# KiCad board OpenPLC_Hardware.kicad_pcb (continued)
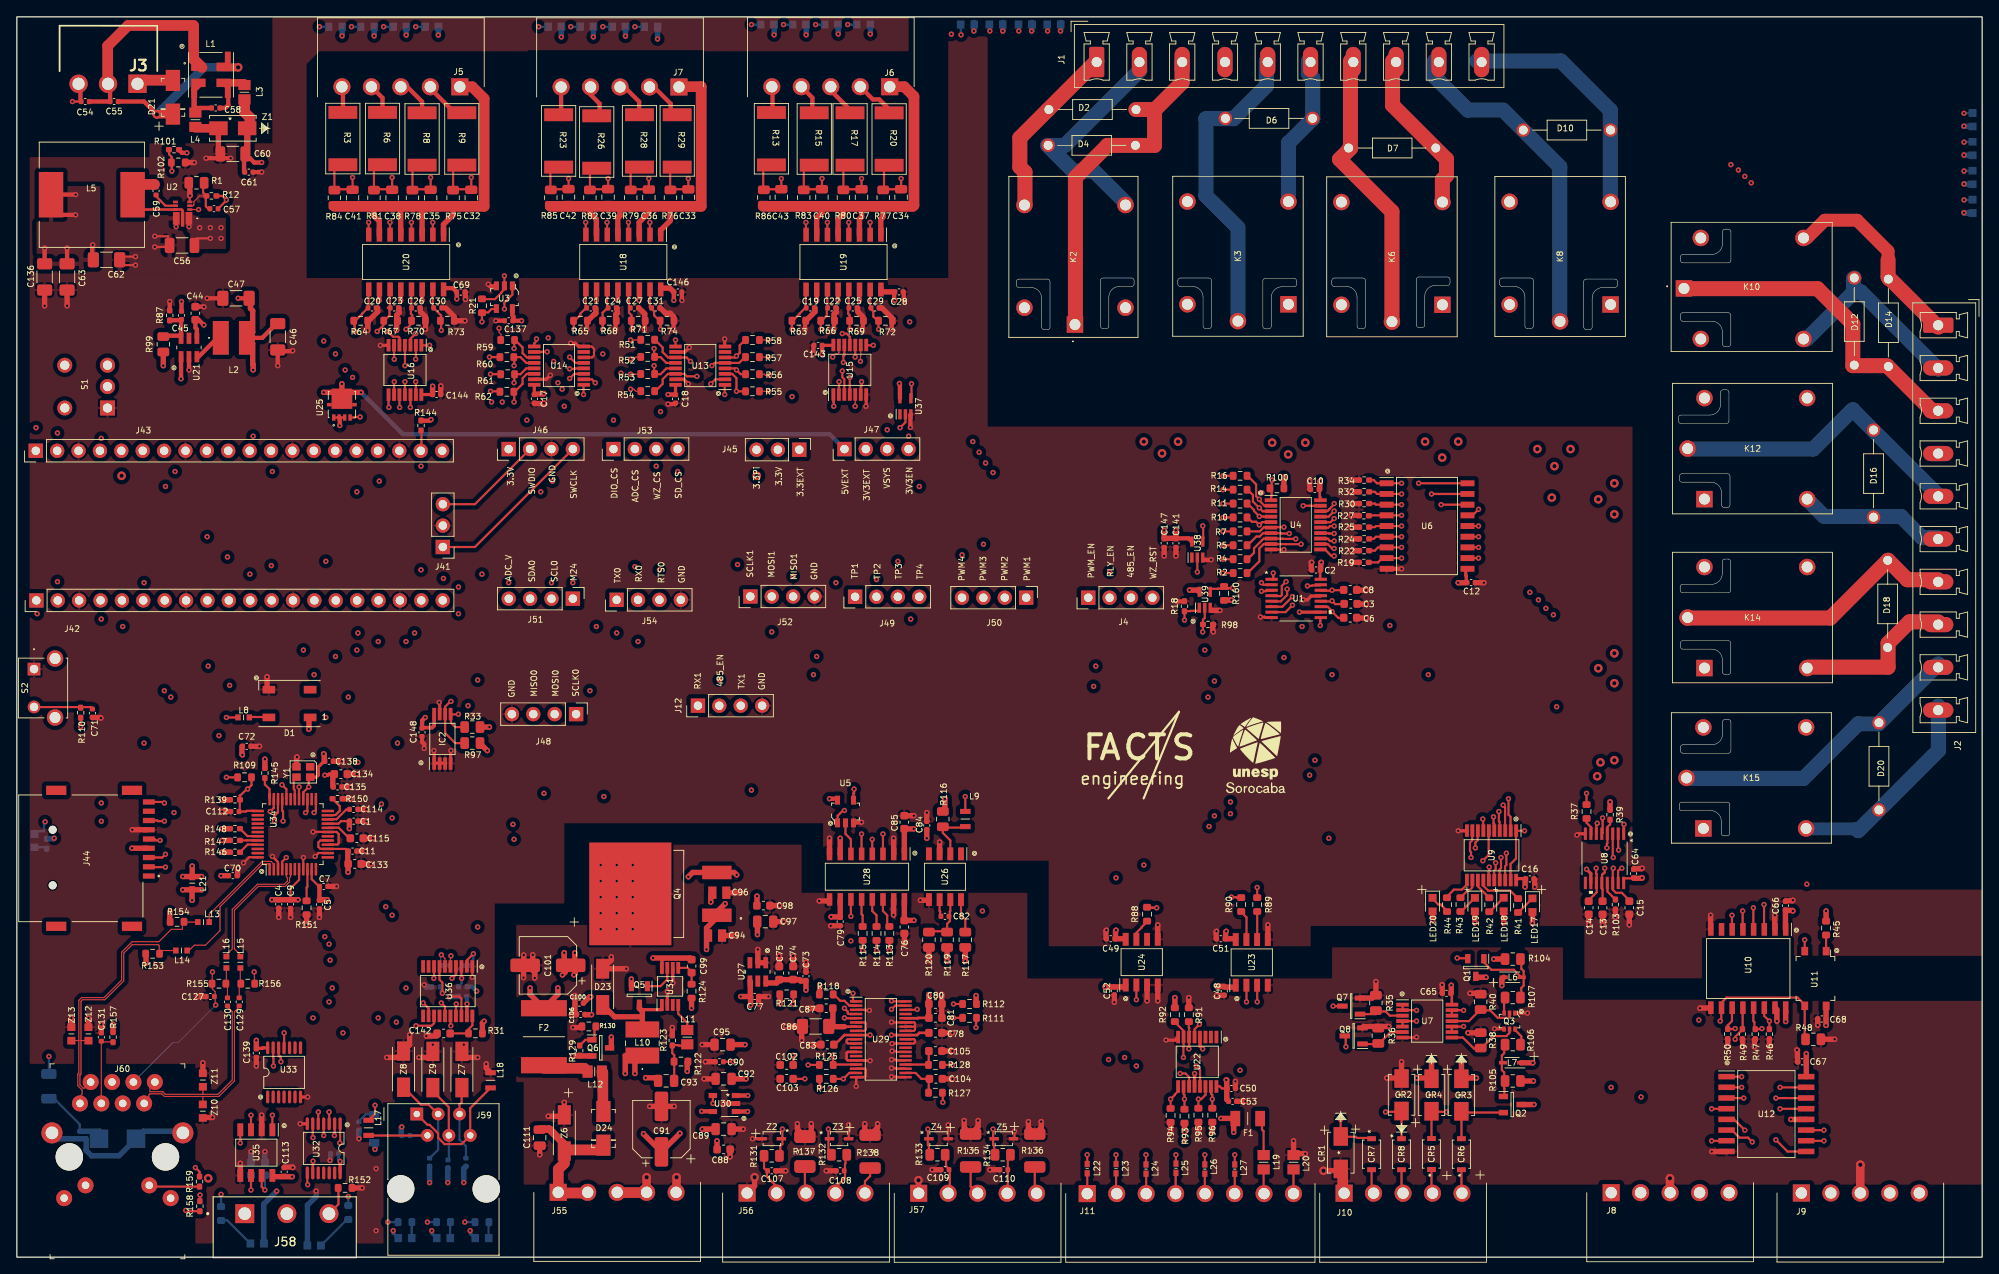
[diagram p0: board, top side]
## Library data of the parts (continued)
R51-R62 = -: Description: Precision Thick Film Chip Resistor, 0603, 0.1W; Arrow Price/Stock: https://www.arrow.com/en/products/erj-3ekf4750v/panasonic; Height: 0.55; Manufacturer_Name: Panasonic; Mouser Part Number: 667-ERJ-3EKF4750V; Mouser Price/Stock: https://www.mouser.co.uk/ProductDetail/Panasonic/ERJ-3EKF4750V?qs=MVjVSMjNRMrErrb2HSOJmg%3D%3D
R63-R74 R91-R96 R102 R125-R128 = -: Description: Thick Film 0603 resistor 1K00 100mW 1% Panasonic ERJ3EK Series Precision Thick Film Surface Mount Resistor 0603 Case 1kOhm  /-1% 0.1W  /-100ppm/degC; Arrow Price/Stock: https://www.arrow.com/en/products/erj-3ekf1001v/panasonic?region=nac; Height: 0.55; Manufacturer_Name: Panasonic; Mouser Part Number: 667-ERJ-3EKF1001V; Mouser Price/Stock: https://www.mouser.co.uk/ProductDetail/Panasonic/ERJ-3EKF1001V?qs=H7k1u0Mp9JTM8yQxOuvoDg%3D%3D
R75-R86 R106 R107 = -: Description: YAGEO - RC0805JR-071K2L - RES, THICK FILM, 1K2, 5%, 0.125W, 0805; Arrow Price/Stock: https://www.arrow.com/en/products/rc0805jr-071k2l/yageo?region=nac; Height: 0.6; Manufacturer_Name: KEMET; Mouser Part Number: 603-RC0805JR-071K2L; Mouser Price/Stock: https://www.mouser.co.uk/ProductDetail/YAGEO/RC0805JR-071K2L?qs=m6lXFsvg5e37BgTmCR2WJg%3D%3D
R108 = -: Description: YAGEO (PHYCOMP) - RC0402FR-07150RL - RES, THICK FILM, 150R, 1%, 0.063W, 0402; Height: 0.4; Manufacturer_Name: KEMET; Mouser Part Number: 603-RC0402FR-07150RL; Mouser Price/Stock: https://www.mouser.co.uk/ProductDetail/Yageo/RC0402FR-07150RL?qs=xND3kAPMIz%252Bsm0qc0jHyQQ%3D%3D
R110 R158 R159 = -: Description: Metal Thin Film Chip Resistor, 0402, 0.063W; Height: 0.4; Manufacturer_Name: Panasonic
R111 R113-R115 = -: Description: 0603 Thick Film Resistor 0.1W, 33R ROHM MCR Series Thick Film Surface Mount Resistor 0603 Case 33 +/-1% 0.1W +/-100ppm/C; Arrow Part Number: MCR03EZPFX33R0; Arrow Price/Stock: https://www.arrow.com/en/products/mcr03ezpfx33r0/rohm-semiconductor; Height: 0.55; Manufacturer_Name: ROHM Semiconductor
R112 R118 R121 R130 = -: Description: Thick Film Resistors - SMD 0603 49.9Kohms 1% AEC-Q200; Arrow Price/Stock: https://www.arrow.com/en/products/erj-3ekf4992v/panasonic?region=europe; Height: 0.55; Manufacturer_Name: Panasonic; Mouser Part Number: 667-ERJ-3EKF4992V; Mouser Price/Stock: https://www.mouser.co.uk/ProductDetail/Panasonic/ERJ-3EKF4992V?qs=66DK8nO8gJDYHn0m%2Fug%252Bvw%3D%3D
R117 R119 = -: Description: RESISTOR, 0805 6.8 KOhm +/- 0.5% 0.1 W; Manufacturer_Name: Susumu
R131-R134 = -: Description: Precision Thick Film Chip Resistor, 0805, 0.125W; Arrow Price/Stock: https://www.arrow.com/en/products/erj-6enf1000v/panasonic; Height: 0.55; Manufacturer_Name: Panasonic; Mouser Part Number: 667-ERJ-6ENF1000V; Mouser Price/Stock: https://www.mouser.co.uk/ProductDetail/Panasonic/ERJ-6ENF1000V?qs=4WZYzuGhm5opkpyunBjW%2FA%3D%3D
R140-R143 R149 = -: Description: YAGEO - RC0603JR-07100RL - RES, 100R, 5%, 0.1W, 0603, THICK FILM; Arrow Price/Stock: https://www.arrow.com/en/products/rc0603jr-07100rl/yageo?region=europe; Height: 0.55; Manufacturer_Name: KEMET; Mouser Part Number: 603-RC0603JR-07100RL; Mouser Price/Stock: https://www.mouser.co.uk/ProductDetail/YAGEO/RC0603JR-07100RL?qs=2cAdsCoAWRFalYQxwnszBA%3D%3D
R151 = -: Description: Thick Film Resistors - SMD 12.4K OHM 1%; Arrow Price/Stock: https://www.arrow.com/en/products/rc0603fr-0712k4l/yageo?region=europe; Height: 0.55; Manufacturer_Name: KEMET; Mouser Part Number: 603-RC0603FR-0712K4L; Mouser Price/Stock: https://www.mouser.co.uk/ProductDetail/YAGEO/RC0603FR-0712K4L?qs=uM1JSSdPjOA%252BD4zMAEkvjw%3D%3D
R153-R156 = -: Description: Thick Film Resistors - SMD 0603 49.9ohms 1% Tol; Arrow Price/Stock: https://www.arrow.com/en/products/erj-3ekf49r9v/panasonic?region=nac; Height: 0.55; Manufacturer_Name: Panasonic; Mouser Part Number: 667-ERJ-3EKF49R9V; Mouser Price/Stock: https://www.mouser.co.uk/ProductDetail/Panasonic/ERJ-3EKF49R9V?qs=66DK8nO8gJAfrBB1c2WenA%3D%3D
R157 = -: Description: Thick Film Resistors - SMD 1/16watts 10ohms 1%; Arrow Price/Stock: https://www.arrow.com/en/products/rk73h1ettp10r0f/koa-speer-electronics; Height: 0.4; Manufacturer_Name: KOA Speer; Mouser Part Number: 660-RK73H1ETTP10R0F; Mouser Price/Stock: https://www.mouser.co.uk/ProductDetail/KOA-Speer/RK73H1ETTP10R0F/?qs=b1MjUb3%252BcaWwtWTJWJOcxQ%3D%3D
S1 = -: Description: SWITCH TOGGLE SPDT 5A 120V; Category: Switches; DK_Datasheet_Link: http://spec_sheets.e-switch.com/specs/T111069.pdf; DK_Detail_Page: /product-detail/en/e-switch/100SP1T2B4M6QE/EG2362-ND/378831; Digi-Key_PN: EG2362-ND; Family: Toggle Switches; MPN: 100SP1T2B4M6QE; Manufacturer: E-Switch; Status: Active
U2 = -: Arrow Price/Stock: https://www.arrow.com/en/products/ap63356dv-7/diodes-incorporated?region=nac; Datasheet_1: https://www.diodes.com/assets/Datasheets/AP63356-AP63357.pdf; Footprint_1: AP63356DV7; Height: 0.85; Manufacturer_Name: Diodes Inc.; Mouser Part Number: 621-AP63356DV-7; Mouser Price/Stock: https://www.mouser.co.uk/ProductDetail/Diodes-Incorporated/AP63356DV-7?qs=bZr6mbWTK5k9UirUfdvjSw%3D%3D; Reference_1: U
U3 U5 = -: Description: IC BUF NON-INVERT 5.5V SOT23-5; Category: Integrated Circuits (ICs); DK_Datasheet_Link: http://www.ti.com/general/docs/suppproductinfo.tsp?distId=10&gotoUrl=http%3A%2F%2Fwww.ti.com%2Flit%2Fgpn%2Fsn74lvc1g125; DK_Detail_Page: /product-detail/en/texas-instruments/SN74LVC1G125DBVR/296-11603-1-ND/385742; Digi-Key_PN: 296-11603-1-ND; Family: Logic - Buffers, Drivers, Receivers, Transceivers; Manufacturer: Texas Instruments; Status: Active
U6 = -: Description: 8 Channel High Current Driver SOL18P-300 T+R Lead; Arrow Part Number: ULN2803AFWG(C,ELHA; Arrow Price/Stock: https://www.arrow.com/en/products/uln2803afwg-celha/toshiba; Height: 2.65; Manufacturer_Name: Toshiba; Manufacturer_Part_Number: ULN2803AFWG(C,ELHA; Mouser Part Number: 757-ULN2803AFWGCELHA; Mouser Price/Stock: https://www.mouser.co.uk/ProductDetail/Toshiba/ULN2803AFWGCELHA?qs=QhGSDAOLffLyZyOzY3%2FYww%3D%3D
U7 = -: Description: Quadruple 2-Input Positive-AND Gates; Arrow Price/Stock: https://www.arrow.com/en/products/sn74ahc08pw/texas-instruments; Height: 1.2; Manufacturer_Name: Texas Instruments; Mouser Part Number: 595-SN74AHC08PW; Mouser Price/Stock: https://www.mouser.co.uk/ProductDetail/Texas-Instruments/SN74AHC08PW?qs=3pnr37ZAbK%252BIPRPPiAPWMg%3D%3D
U9 = -: Description: SN74LVC541APWR, 8-Bit Buffer, Line Driver, LVC, 3-State Non-Inverting 1.65  3.6 V 20-Pin TSSOP; Arrow Price/Stock: https://www.arrow.com/en/products/sn74lvc541apwr/texas-instruments?region=nac; Height: 1.2; Manufacturer_Name: Texas Instruments; Mouser Part Number: 595-SN74LVC541APWR; Mouser Price/Stock: https://www.mouser.co.uk/ProductDetail/Texas-Instruments/SN74LVC541APWR?qs=DcvZ7Fltd5yUfWNWQTtNtQ%3D%3D
U10 = -: Description: DGTL ISO 2500VRMS 4CH GP 16SOIC; Height: 1.75; Manufacturer_Name: Skyworks; Mouser Part Number: 634-SI8640AB-B-IS; Mouser Price/Stock: https://www.mouser.co.uk/ProductDetail/Skyworks-Solutions-Inc/SI8640AB-B-IS?qs=j6MGy4L9yX0GpgQO5d7agw%3D%3D
U11 = -: Description: OPTOISOLATOR 3.75KV TRANS 4-SOP; Category: Isolators; DK_Datasheet_Link: http://optoelectronics.liteon.com/upload/download/DS70-2001-010/LTV-356T%20series%20201610.pdf; DK_Detail_Page: /product-detail/en/lite-on-inc/LTV-356T/160-1337-1-ND/385805; Digi-Key_PN: 160-1337-1-ND; Family: Optoisolators - Transistor, Photovoltaic Output; Manufacturer: Lite-On Inc.; Status: Active
U12 = -: Description: RS-485 Interface IC Quad RS-485 Diff Line Driver; Arrow Part Number: SN75LBC172A16DWR; Arrow Price/Stock: https://www.arrow.com/en/products/sn75lbc172a16dwr/texas-instruments; Height: 2.65; Manufacturer_Name: Texas Instruments; Manufacturer_Part_Number: SN75LBC172A16DWR; Mouser Part Number: 595-SN75LBC172A16DWR; Mouser Price/Stock: https://www.mouser.com/Search/Refine.aspx?Keyword=595-SN75LBC172A16DWR
U13 U14 = -: Description: Texas Instruments SN74HC165PW, 8-stage, Shift Register, Parallel to Serial, 2  6 V, 16-Pin TSSOP; Arrow Part Number: SN74HC165PW; Arrow Price/Stock: https://www.arrow.com/en/products/sn74hc165pw/texas-instruments?region=nac; Height: 1.2; Manufacturer_Name: Texas Instruments; Manufacturer_Part_Number: SN74HC165PW; Mouser Part Number: 595-SN74HC165PW; Mouser Price/Stock: https://www.mouser.co.uk/ProductDetail/Texas-Instruments/SN74HC165PW?qs=vxEfx8VrU7DtrDptXCdEpg%3D%3D
U15 U16 = -: Description: 74LCX14MTC, CMOS Hex Schmitt Trigger Inverter, LCX, 24mA 2  3.6 V 14-Pin TSSOP; Arrow Part Number: 74LCX14MTC; Arrow Price/Stock: https://www.arrow.com/en/products/74lcx14mtc/on-semiconductor?region=europe; Height: 1.2; Manufacturer_Name: onsemi; Manufacturer_Part_Number: 74LCX14MTC; Mouser Part Number: 512-74LCX14MTC; Mouser Price/Stock: https://www.mouser.co.uk/ProductDetail/ON-Semiconductor-Fairchild/74LCX14MTC?qs=vLO1xFsx9TE9lLDimIjc9w%3D%3D
U18-U20 = -: Description: Transistor Output Optocouplers 4ch Transistor opto coupler; Arrow Part Number: TLP292-4(LGBTP,E; Arrow Price/Stock: https://www.arrow.com/en/products/tlp292-4-lgbtpe/toshiba?region=nac; Height: 2.3; Manufacturer_Name: Toshiba; Manufacturer_Part_Number: TLP292-4(LGBTP,E; Mouser Part Number: 757-TLP292-4LGBTPE; Mouser Price/Stock: https://www.mouser.co.uk/ProductDetail/Toshiba/TLP292-4LGBTPE?qs=U6BGiFaJGDuglZcF0rtOlQ%3D%3D
U22 = -: Description: ST26C32ABTR, Quad Line Receiver, EIA-423, EIA-422, RS-423, RS-422, 20Mbit/s Differential 5 V 16-Pin TSSOP; Arrow Price/Stock: https://www.arrow.com/en/products/st26c32abtr/stmicroelectronics; Height: 1.2; Manufacturer_Name: STMicroelectronics; Mouser Part Number: 511-ST26C32AB; Mouser Price/Stock: https://www.mouser.co.uk/ProductDetail/STMicroelectronics/ST26C32ABTR?qs=4MjE2YE1uWo9cNvuXIid3g%3D%3D
U23 U24 = -: Description: SILICON LABS - SI8620BB-B-ISR - Digital Isolator, 2 Channel, 8 ns, 2.5 V, 5.5 V, SOIC, 8 Pins; Arrow Price/Stock: https://www.arrow.com/en/products/si8620bb-b-isr/silicon-labs; Height: 1.75; Manufacturer_Name: Silicon Labs; Mouser Part Number: 634-SI8620BB-B-ISR; Mouser Price/Stock: https://www.mouser.co.uk/ProductDetail/Silicon-Labs/SI8620BB-B-ISR?qs=j6MGy4L9yX3UqdNjYI%2FCRQ%3D%3D
U25 = -: MANUFACTURER: ST Microelectronics; MAXIMUM_PACKAGE_HEIGHT: 0.9mm; PARTREV: 3; STANDARD: Manufacturer recommendations
U26 = -: Description: Optocoupl DC-IN 1-CH Trans DC-OUT 8-SOIC; Arrow Price/Stock: https://www.arrow.com/en/products/fod2742b/on-semiconductor; Height: 3.63; Manufacturer_Name: onsemi; Mouser Part Number: 512-FOD2742B; Mouser Price/Stock: https://www.mouser.co.uk/ProductDetail/onsemi-Fairchild/FOD2742B?qs=zGXwibyAaHYI42ZmCVQd1A%3D%3D
U27 = -: Description: Precision Wide Supply High Output Drive Low Noise Reference; Manufacturer_Name: Analog Devices
U28 = -: Description: Silicon Labs Si8641AB-B-IS1 PCB SMT 4-channel Digital Isolator, 2500 Vrms, 16-Pin SOIC; Arrow Part Number: SI8641AB-B-IS1; Arrow Price/Stock: https://www.arrow.com/en/products/si8641ab-b-is1/silicon-labs; Height: 1.75; Manufacturer_Name: Silicon Labs; Mouser Part Number: 634-SI8641AB-B-IS1; Mouser Price/Stock: https://www.mouser.co.uk/ProductDetail/Silicon-Labs/SI8641AB-B-IS1?qs=j6MGy4L9yX1apgACYNMPpw%3D%3D
U29 = -: Description: Octal Channel Single ADC SAR 500ksps 16-bit Serial 38-Pin TSSOP T/R; Arrow Price/Stock: https://www.arrow.com/en/products/ads8688idbtr/texas-instruments?region=nac; Height: 1.2; Manufacturer_Name: Texas Instruments; Mouser Part Number: 595-ADS8688IDBTR; Mouser Price/Stock: https://www.mouser.co.uk/ProductDetail/Texas-Instruments/ADS8688IDBTR?qs=bZA2O%252B%252B1GJuPFEagMJIgMw%3D%3D
U30 = -: Field4: Designator9
U31 = -: Description: 4.5-35V, Hysteretic Non-Synchronous PFET Buck Controller; Arrow Part Number: LM3485MMX/NOPB; Arrow Price/Stock: https://www.arrow.com/en/products/lm3485mmxnopb/texas-instruments?region=nac; Height: 1.1; Manufacturer_Name: Texas Instruments; Manufacturer_Part_Number: LM3485MMX/NOPB; Mouser Part Number: 926-LM3485MMX/NOPB; Mouser Price/Stock: https://www.mouser.co.uk/ProductDetail/Texas-Instruments/LM3485MMX-NOPB?qs=X1J7HmVL2ZGdhzJdAW27lw%3D%3D
U32 = -: Description: Fairchild Semiconductor 74LVX04M, Hex Inverter, Single Ended, 2  3.6 V, 14-Pin SOIC; Manufacturer_Name: onsemi
U33 = -: Description: Low Voltage Quad 2-Input OR Gate; Manufacturer_Name: onsemi; Mouser Part Number: 512-74LVX32M; Mouser Price/Stock: https://www.mouser.co.uk/ProductDetail/ON-Semiconductor-Fairchild/74LVX32M/?qs=9QHlZzIagUaT%2FN4IZX0jJA%3D%3D
U35 = -: Description: +/-15 kV ESD-Protected, 3.3 V,12 Mbps,EIA RS-485/RS-422 Transceiver; Arrow Price/Stock: https://www.arrow.com/en/products/adm3485earz/analog-devices?region=nac; Height: 1.75; Manufacturer_Name: Analog Devices; Mouser Part Number: 584-ADM3485EARZ; Mouser Price/Stock: https://www.mouser.co.uk/ProductDetail/Analog-Devices/ADM3485EARZ?qs=BpaRKvA4VqHkSzuHRWJo4g%3D%3D
U36 = -: Description: Analog Devices ADM3222ARUZ, Line Transceiver, EIA/TIA-232-E, RS-232, V.28 2-TX 2-RX 2-TRX, 3.3 V, 20-Pin TSSOP; Arrow Price/Stock: https://www.arrow.com/en/products/adm3222aruz/analog-devices?region=nac; Height: 1.2; Manufacturer_Name: Analog Devices; Mouser Part Number: 584-ADM3222ARUZ; Mouser Price/Stock: https://www.mouser.co.uk/ProductDetail/Analog-Devices/ADM3222ARUZ?qs=BpaRKvA4VqGXDi%2FCbAjUTQ%3D%3D
U37 U38 = -: Arrow Price/Stock: https://www.arrow.com/en/products/sn74lvc1g14qdckrq1/texas-instruments; Datasheet_1: http://www.ti.com/lit/gpn/sn74lvc1g14-q1; Footprint_1: SOT65P210X110-5N; Height: 1.1; Manufacturer_Name: Texas Instruments; Mouser Part Number: 595-74LVC1G14QDCKRQ1; Mouser Price/Stock: https://www.mouser.co.uk/ProductDetail/Texas-Instruments/SN74LVC1G14QDCKRQ1?qs=yPJbmYg%2FhokGUE8uIzwD4w%3D%3D; Reference_1: L
U39 = -: Arrow Price/Stock: https://www.arrow.com/en/products/sn74aup1t02dckr/texas-instruments; Datasheet_1: http://www.ti.com/lit/gpn/sn74aup1t02; Footprint_1: SOT65P210X110-5N; Height: 1.1; Manufacturer_Name: Texas Instruments; Mouser Part Number: 595-SN74AUP1T02DCKR; Mouser Price/Stock: https://www.mouser.co.uk/ProductDetail/Texas-Instruments/SN74AUP1T02DCKR?qs=v3hU%2FV0XOagiu6L9827LZg%3D%3D; Reference_1: IC
Z6 = -: Description: ESD Suppressors / TVS Diodes 33V 400W BI-DIR SZ1SMA AEC-Q101; Height: 2.2; Manufacturer_Name: LITTELFUSE; Mouser Part Number: 863-SZ1SMA33CAT3G; Mouser Price/Stock: https://www.mouser.co.uk/ProductDetail/Littelfuse/SZ1SMA33CAT3G?qs=sK5eIuwOod6a1nJwXQVKYw%3D%3D
Z7-Z9 = -: Description: 400 W, BIDIRECTIONAL, SILICON, TVS DIODE; Height: 2.56; Manufacturer_Name: onsemi
Z10-Z13 = -: Description: BUSSMANN BY EATON - 0603ESDA2-TR2 - DIODE, ESD PROTECTION, 60V, 0.1PF; Arrow Price/Stock: https://www.arrow.com/en/products/0603esda2-tr2/eaton?region=nac; Height: 0.7; Manufacturer_Name: Eaton; Mouser Part Number: 504-0603ESDA2-TR2; Mouser Price/Stock: https://www.mouser.co.uk/ProductDetail/Bussmann-Eaton/0603ESDA2-TR2?qs=OdWnH1D7XgFy7zsH2a9rug%3D%3D
Z14 = -: Description: Littelfuse P6SMB6.8CA, Bi-Directional TVS Diode, 600W, 2-Pin DO-214AA; Arrow Price/Stock: https://www.arrow.com/en/products/p6smb6.8ca/littelfuse?region=europe; Height: 2.61; Manufacturer_Name: LITTELFUSE; Mouser Part Number: 576-P6SMB6.8CA; Mouser Price/Stock: https://www.mouser.co.uk/ProductDetail/Littelfuse/P6SMB6.8CA?qs=3K5NeMAIBDkbaiJnSI65Ag%3D%3D

## Footprints (pads in the part's own frame, mm; a bottom-side part is the same pattern mirrored in y, then rotated)
833H1CFS24VDC
  rect 1.95x1.95 hole 1.3: 1(0,0)
  round 1.95 hole 1.3: 2(12.2,0) 3(12.2,12) 4(0,12) 5(-2,6)
AP63356DV7
  rect 0.8x1.5 smd: 1(-0.75,0.675) 8(0.75,0.675)
  rect 0.6x0.3 smd: 2(-0.85,-0.375) 3(-0.85,-0.825) 4(-0.85,-1.275) 5(0.85,-1.275) 6(0.85,-0.825) 7(0.85,-0.375)
  rect 0.4x1.73 smd: 9(0,0.79)
AZ9431CH24DE
  round 1.95 hole 1.3: 1(2,-6) 2(14.2,-6) 3(14.2,6) 4(2,6)
  rect 1.95x1.95 hole 1.3: 5(0,0)
BEADC1005X55N
  rect 0.75x0.6 smd: 1(-0.55,0) 2(0.55,0)
BLM18AG102BH1D
  rect 0.65x0.7 smd: 1(-0.675,0) 2(0.675,0)
BLM21AG102BH1J
  rect 0.6x1.25 smd: 1(-0.9,0) 2(0.9,0)
C_0402_1005Metric
  rrect 0.56x0.62 smd: 1(-0.48,0) 2(0.48,0)
C_0603_1608Metric
  rrect 0.9x0.95 smd: 1(-0.775,0) 2(0.775,0)
C_0805_2012Metric
  rrect 1x1.45 smd: 1(-0.95,0) 2(0.95,0)
C_1206_3216Metric
  rrect 1.15x1.8 smd: 1(-1.475,0) 2(1.475,0)
C_1206_3216Metric_Pad1.33x1.80mm_HandSolder
  rrect 1.325x1.8 smd: 1(-1.562,0) 2(1.562,0)
CAPC2012X145N
  rect 0.97x1.47 smd: 1(-0.83,0) 2(0.83,0)
CP_Elec_6.3x5.4_Nichicon
  rrect 3.5x1.6 smd: 1(-2.7,0) 2(2.7,0)
CP_Elec_6.3x5.8
  rrect 3.5x1.6 smd: 1(-2.7,0) 2(2.7,0)
D_SOD-123
  rect 0.9x1.2 smd: 1(-1.65,0) 2(1.65,0)
DIOAD1036W78L470D235
  round 1.59 hole 1.06: 1(-5.18,0) 2(5.18,0)
DIOM5226X230N
  rect 2.35x1.55 smd: 1(-2.15,0) 2(2.15,0)
DIONC1608X70N
  rect 0.9x0.95 smd: 1(-0.8,0) 2(0.8,0)
DIONM5226X220N
  rect 2.3x1.55 smd: 1(-2.15,0) 2(2.15,0)
DIONM5226X256N
  rect 2.3x1.55 smd: 1(-2.15,0) 2(2.15,0)
DIONM5436X261N
  rect 2.2x2.15 smd: 1(-2.2,0) 2(2.2,0)
DO-214AC
  rect 2.5x1.7 smd: A(2,0) K(-2,0)
FIL_DLW5BTM142TQ2L
  custom 2.3x1.7 smd: 1(0.875,1.075) 2(-0.875,1.075) 3(-0.875,-1.075) 4(0.875,-1.075)
FUSC3216X100N
  rect 1.16x1.82 smd: 1(-1.475,0) 2(1.475,0)
FUSC7451X170N
  rect 1.92x5.45 smd: 1(-3.385,0) 2(3.385,0)
IND_SRR1240-101M
  rect 2.9x5.4 smd: 1(-4.85,0) 2(4.85,0)
INDC2012X105N
  rect 1.2x1.45 smd: 1(-0.85,0) 2(0.85,0)
L7805CD2T
  rect 1.6x3.5 smd: 1(-2.54,-5.138) 3(2.54,-5.138)
  rect 12.2x9.75 smd: 2(0,5.138)
LED_WS2812B_PLCC4_5.0x5.0mm_P3.2mm
  rect 1.5x0.9 smd: 1(-2.45,1.65) 2(-2.45,-1.65) 3(2.45,-1.65) 4(2.45,1.65)
LEDC1608X60N
  rect 0.9x0.95 smd: 1(-0.8,0) 2(0.8,0)
LP2992IM5-3.3&slash_NOPB
  rect 1x0.6 smd: 1(-1.375,0.95) 2(-1.375,0) 3(-1.375,-0.95) 4(1.375,-0.95) 5(1.375,0.95)
LQFP-48_7x7mm_P0.5mm
  rrect 1.475x0.3 smd: 1(-4.162,2.75) 2(-4.162,2.25) 3(-4.162,1.75) 4(-4.162,1.25) 5(-4.162,0.75) 6(-4.162,0.25) 7(-4.162,-0.25) 8(-4.162,-0.75) 9(-4.162,-1.25) 10(-4.162,-1.75) 11(-4.162,-2.25) 12(-4.162,-2.75) 25(4.162,-2.75) 26(4.162,-2.25) 27(4.162,-1.75) 28(4.162,-1.25) 29(4.162,-0.75) 30(4.162,-0.25) 31(4.162,0.25) 32(4.162,0.75) 33(4.162,1.25) 34(4.162,1.75) 35(4.162,2.25) 36(4.162,2.75)
  rrect 0.3x1.475 smd: 13(-2.75,-4.162) 14(-2.25,-4.162) 15(-1.75,-4.162) 16(-1.25,-4.162) 17(-0.75,-4.162) 18(-0.25,-4.162) 19(0.25,-4.162) 20(0.75,-4.162) 21(1.25,-4.162) 22(1.75,-4.162) 23(2.25,-4.162) 24(2.75,-4.162) 37(2.75,4.162) 38(2.25,4.162) 39(1.75,4.162) 40(1.25,4.162) 41(0.75,4.162) 42(0.25,4.162) 43(-0.25,4.162) 44(-0.75,4.162) 45(-1.25,4.162) 46(-1.75,4.162) 47(-2.25,4.162) 48(-2.75,4.162)
MEM20750014001A
  round 0.95 hole 0.95 unplated: (-3.395,-3.695) (3.205,-3.695)
  rect 1.1x2.4 smd: MP1(-8.075,5.725) MP2(-8.075,-3.275) MP3(8.075,-3.275) MP4(8.075,5.725)
  rect 0.62x1.4 smd: P1(2.105,7.725) P2(1.005,7.725) P3(-0.095,7.725) P4(-1.195,7.725) P5(-2.295,7.725) P6(-3.395,7.725) P7(-4.495,7.725) P8(-5.595,7.725) P9(-6.695,7.725)
OSC25M
  rect 1x0.9 smd: 1(-0.77,-0.913) 2(0.855,-0.913) 3(0.855,0.312) 4(-0.77,0.312)
PhoenixContact_MCV_1,5_10-G-5.08_1x10_P5.08mm_Vertical
  rrect 1.8x3.6 hole 1.2: 1(0,0)
  oval 1.8x3.6 hole 1.2: 2(5.08,0) 3(10.16,0) 4(15.24,0) 5(20.32,0) 6(25.4,0) 7(30.48,0) 8(35.56,0) 9(40.64,0) 10(45.72,0)
PinHeader_1x03_P2.54mm_Vertical
  rect 1.7x1.7 hole 1: 1(0,0)
  oval 1.7x1.7 hole 1: 2(0,-2.54) 3(0,-5.08)
PinHeader_1x04_P2.54mm_Vertical
  rect 1.7x1.7 hole 1: 1(0,0)
  oval 1.7x1.7 hole 1: 2(0,-2.54) 3(0,-5.08) 4(0,-7.62)
PinHeader_1x20_P2.54mm_Vertical
  rect 1.7x1.7 hole 1: 1(0,0)
  oval 1.7x1.7 hole 1: 2(0,-2.54) 3(0,-5.08) 4(0,-7.62) 5(0,-10.16) 6(0,-12.7) 7(0,-15.24) 8(0,-17.78) 9(0,-20.32) 10(0,-22.86) 11(0,-25.4) 12(0,-27.94) 13(0,-30.48) 14(0,-33.02) 15(0,-35.56) 16(0,-38.1) 17(0,-40.64) 18(0,-43.18) 19(0,-45.72) 20(0,-48.26)
R_0402_1005Metric_Pad0.72x0.64mm_HandSolder
  rrect 0.715x0.64 smd: 1(-0.598,0) 2(0.598,0)
R_0402_1005Metric_Pad0.72x0.64mm_HandSolder#2
  rrect 1.373x2.54 smd: 1(-1.957,0) 2(1.957,0)
R_0402_1005Metric_Pad0.72x0.64mm_HandSolder#3
  rrect 1.524x2.54 smd: 1(-1.778,0) 2(1.778,0)
R_0603_1608Metric
  rrect 0.8x0.95 smd: 1(-0.825,0) 2(0.825,0)
R_0805_2012Metric
  rrect 1.025x1.4 smd: 1(-0.912,0) 2(0.912,0)
RJ12_Amphenol_54601
  round 3.25 hole 3.25 unplated: (-1.91,-8.89) (8.25,-8.89)
  rect 1.52x1.52 hole 0.76: 1(0,0)
  round 1.52 hole 0.76: 2(1.27,-2.54) 3(2.54,0) 4(3.81,-2.54) 5(5.08,0) 6(6.35,-2.54)
RJ45_Female_RB1-125BAG1A
  round 3.25 hole 3.25 unplated: (-1.27,-6.35) (10.16,-6.35)
  round 1.9 hole 0.9: L1(8.23,-9.73) L2(10.77,-11.25) L3(0.66,-9.73) L4(-1.88,-11.25) R1(0,0) R2(1.27,2.54) R3(2.54,0) R4(3.81,2.54) R5(5.08,0) R6(6.35,2.54) R7(7.62,0) R8(8.89,2.54)
  round 2.5 hole 1.5: SH(-3.33,-3.5) SH(12.22,-3.5)
SHDRRA3W90P0X350_1X3_1110X920X691P
  rect 2.175x2.175 hole 1.45: 1(0,9.66)
  round 2.175 hole 1.45: 2(3.5,9.66) 3(7,9.66)
SHDRRA5W82P0X350_1X5_1980X920X745P
  rect 2.025x2.025 hole 1.35: 1(0,7.112)
  round 2.025 hole 1.35: 2(3.5,7.112) 3(7,7.112) 4(10.5,7.112) 5(14,7.112)
SHDRRA5W82P0X350_1X5_1980X920X745P#2
  rect 2.025x2.025 hole 1.35: 1(14.224,0)
  round 2.025 hole 1.35: 2(10.724,0) 3(7.224,0) 4(3.724,0) 5(0.224,0)
SHDRRA8W83P0X350_1X8_2940X920X755P
  rect 2.025x2.025 hole 1.35: 1(0,0)
  round 2.025 hole 1.35: 2(-3.5,0) 3(-7,0) 4(-10.5,0) 5(-14,0) 6(-17.5,0) 7(-21,0) 8(-24.5,0)
SM5819PL-TP
  rect 0.584x1.041 smd: 1(-1.841,0) 2(1.841,0)
SMAJ28A-TR
  rect 2.21x1.702 smd: 1(-1.93,0) 2(1.93,0)
SMAJ30CA-E3&slash_61
  rect 2.184x1.651 smd: 1(-1.702,0) 2(1.702,0)
SMD-4_4.4x3.85mm_P2.54mm
  rect 1x0.8 smd: 1(-3.25,1.27) 2(-3.25,-1.27) 3(3.25,-1.27) 4(3.25,1.27)
SN74AHC595PW
  rect 1.462x0.355 smd: 1(-2.921,2.275) 2(-2.921,1.625) 3(-2.921,0.975) 4(-2.921,0.325) 5(-2.921,-0.325) 6(-2.921,-0.975) 7(-2.921,-1.625) 8(-2.921,-2.275) 9(2.921,-2.275) 10(2.921,-1.625) 11(2.921,-0.975) 12(2.921,-0.325) 13(2.921,0.325) 14(2.921,0.975) 15(2.921,1.625) 16(2.921,2.275)
SODFL2512X75N
  rect 0.95x0.42 smd: 1(-1.075,0) 2(1.075,0)
SOIC127P594X363-8N
  rect 1.52x0.7 smd: 1(-2.715,1.905) 2(-2.715,0.635) 3(-2.715,-0.635) 4(-2.715,-1.905) 5(2.715,-1.905) 6(2.715,-0.635) 7(2.715,0.635) 8(2.715,1.905)
SOIC127P600X175-8N
  rect 1.525x0.7 smd: 1(-2.712,1.905) 2(-2.712,0.635) 3(-2.712,-0.635) 4(-2.712,-1.905) 5(2.712,-1.905) 6(2.712,-0.635) 7(2.712,0.635) 8(2.712,1.905)
SOIC127P600X175-14N
  oval 1.524x0.381 smd: 1(-2.921,1.95) 2(-2.921,1.3) 3(-2.921,0.65) 4(-2.921,0) 5(-2.921,-0.65) 6(-2.921,-1.3) 7(-2.921,-1.95) 8(2.921,-1.95) 9(2.921,-1.3) 10(2.921,-0.65) 11(2.921,0) 12(2.921,0.651) 13(2.921,1.3) 14(2.921,1.95)
SOIC127P600X175-14N#2
  oval 0.381x1.524 smd: 1(-1.95,-2.921) 2(-1.3,-2.921) 3(-0.65,-2.921) 4(0,-2.921) 5(0.65,-2.921) 6(1.3,-2.921) 7(1.95,-2.921) 8(1.95,2.921) 9(1.3,2.921) 10(0.65,2.921) 11(0,2.921) 12(-0.651,2.921) 13(-1.3,2.921) 14(-1.95,2.921)
SOIC127P600X175-16N
  rect 1.5x0.65 smd: 1(-2.7,4.445) 2(-2.7,3.175) 3(-2.7,1.905) 4(-2.7,0.635) 5(-2.7,-0.635) 6(-2.7,-1.905) 7(-2.7,-3.175) 8(-2.7,-4.445) 9(2.7,-4.445) 10(2.7,-3.175) 11(2.7,-1.905) 12(2.7,-0.635) 13(2.7,0.635) 14(2.7,1.905) 15(2.7,3.175) 16(2.7,4.445)
SOIC127P600X175-16N#2
  rect 1.5x0.65 smd: 1(-2.7,4.445) 2(-2.7,3.175) 3(-2.7,1.905) 4(-2.7,0.635) 5(-2.7,-0.635) 6(-2.7,-1.905) 7(-2.7,-3.175) 8(-2.7,-4.445) 9(6.604,-4.445) 10(6.604,-3.175) 11(6.604,-1.905) 12(6.604,-0.635) 13(6.604,0.635) 14(6.604,1.905) 15(6.604,3.175) 16(6.604,4.445)
SOIC127P700X230-16N
  rect 1.65x0.65 smd: 1(-3.25,4.445) 2(-3.25,3.175) 3(-3.25,1.905) 4(-3.25,0.635) 5(-3.25,-0.635) 6(-3.25,-1.905) 7(-3.25,-3.175) 8(-3.25,-4.445) 9(3.25,-4.445) 10(3.25,-3.175) 11(3.25,-1.905) 12(3.25,-0.635) 13(3.25,0.635) 14(3.25,1.905) 15(3.25,3.175) 16(3.25,4.445)
SOIC127P1030X265-16N
  rect 1.95x0.65 smd: 1(-4.725,4.445) 2(-4.725,3.175) 3(-4.725,1.905) 4(-4.725,0.635) 5(-4.725,-0.635) 6(-4.725,-1.905) 7(-4.725,-3.175) 8(-4.725,-4.445) 9(4.725,-4.445) 10(4.725,-3.175) 11(4.725,-1.905) 12(4.725,-0.635) 13(4.725,0.635) 14(4.725,1.905) 15(4.725,3.175) 16(4.725,4.445)
SOIC127P1030X265-18N
  rect 1.65x0.7 smd: 1(-4.8,5.08) 2(-4.8,3.81) 3(-4.8,2.54) 4(-4.8,1.27) 5(-4.8,0) 6(-4.8,-1.27) 7(-4.8,-2.54) 8(-4.8,-3.81) 9(-4.8,-5.08) 10(4.8,-5.08) 11(4.8,-3.81) 12(4.8,-2.54) 13(4.8,-1.27) 14(4.8,0) 15(4.8,1.27) 16(4.8,2.54) 17(4.8,3.81) 18(4.8,5.08)
SOP50P640X120-38N
  rect 1.475x0.3 smd: 1(-2.938,4.5) 2(-2.938,4) 3(-2.938,3.5) 4(-2.938,3) 5(-2.938,2.5) 6(-2.938,2) 7(-2.938,1.5) 8(-2.938,1) 9(-2.938,0.5) 10(-2.938,0) 11(-2.938,-0.5) 12(-2.938,-1) 13(-2.938,-1.5) 14(-2.938,-2) 15(-2.938,-2.5) 16(-2.938,-3) 17(-2.938,-3.5) 18(-2.938,-4) 19(-2.938,-4.5) 20(2.938,-4.5) 21(2.938,-4) 22(2.938,-3.5) 23(2.938,-3) 24(2.938,-2.5) 25(2.938,-2) 26(2.938,-1.5) 27(2.938,-1) 28(2.938,-0.5) 29(2.938,0) 30(2.938,0.5) 31(2.938,1) 32(2.938,1.5) 33(2.938,2) 34(2.938,2.5) 35(2.938,3) 36(2.938,3.5) 37(2.938,4) 38(2.938,4.5)
SOP65P490X110-8N
  rect 1.4x0.45 smd: 1(-2.2,0.975) 2(-2.2,0.325) 3(-2.2,-0.325) 4(-2.2,-0.975) 5(2.2,-0.975) 6(2.2,-0.325) 7(2.2,0.325) 8(2.2,0.975)
SOP65P640X120-8N
  rect 1.475x0.45 smd: 1(-2.938,0.975) 2(-2.938,0.325) 3(-2.938,-0.325) 4(-2.938,-0.975) 5(2.938,-0.975) 6(2.938,-0.325) 7(2.938,0.325) 8(2.938,0.975)
SOP65P640X120-14N
  rect 1.475x0.45 smd: 1(-2.938,1.95) 2(-2.938,1.3) 3(-2.938,0.65) 4(-2.938,0) 5(-2.938,-0.65) 6(-2.938,-1.3) 7(-2.938,-1.95) 8(2.938,-1.95) 9(2.938,-1.3) 10(2.938,-0.65) 11(2.938,0) 12(2.938,0.65) 13(2.938,1.3) 14(2.938,1.95)
SOP65P640X120-16N
  rect 1.475x0.45 smd: 1(-2.938,2.275) 2(-2.938,1.625) 3(-2.938,0.975) 4(-2.938,0.325) 5(-2.938,-0.325) 6(-2.938,-0.975) 7(-2.938,-1.625) 8(-2.938,-2.275) 9(2.938,-2.275) 10(2.938,-1.625) 11(2.938,-0.975) 12(2.938,-0.325) 13(2.938,0.325) 14(2.938,0.975) 15(2.938,1.625) 16(2.938,2.275)